# Altium PCB RFFE_Controller.PcbDoc (part 2 of 2)
Units mm, origin at the board's own origin, x right, y up, seen from the top; angles counter-clockwise.
Board outline 87 x 105 mm, 4 copper layers (Top Layer, MidLayer1, MidLayer2, Bottom Layer), stack 1.192 mm thick; 81 components, 80 nets, 362 pads, 1668 vias.
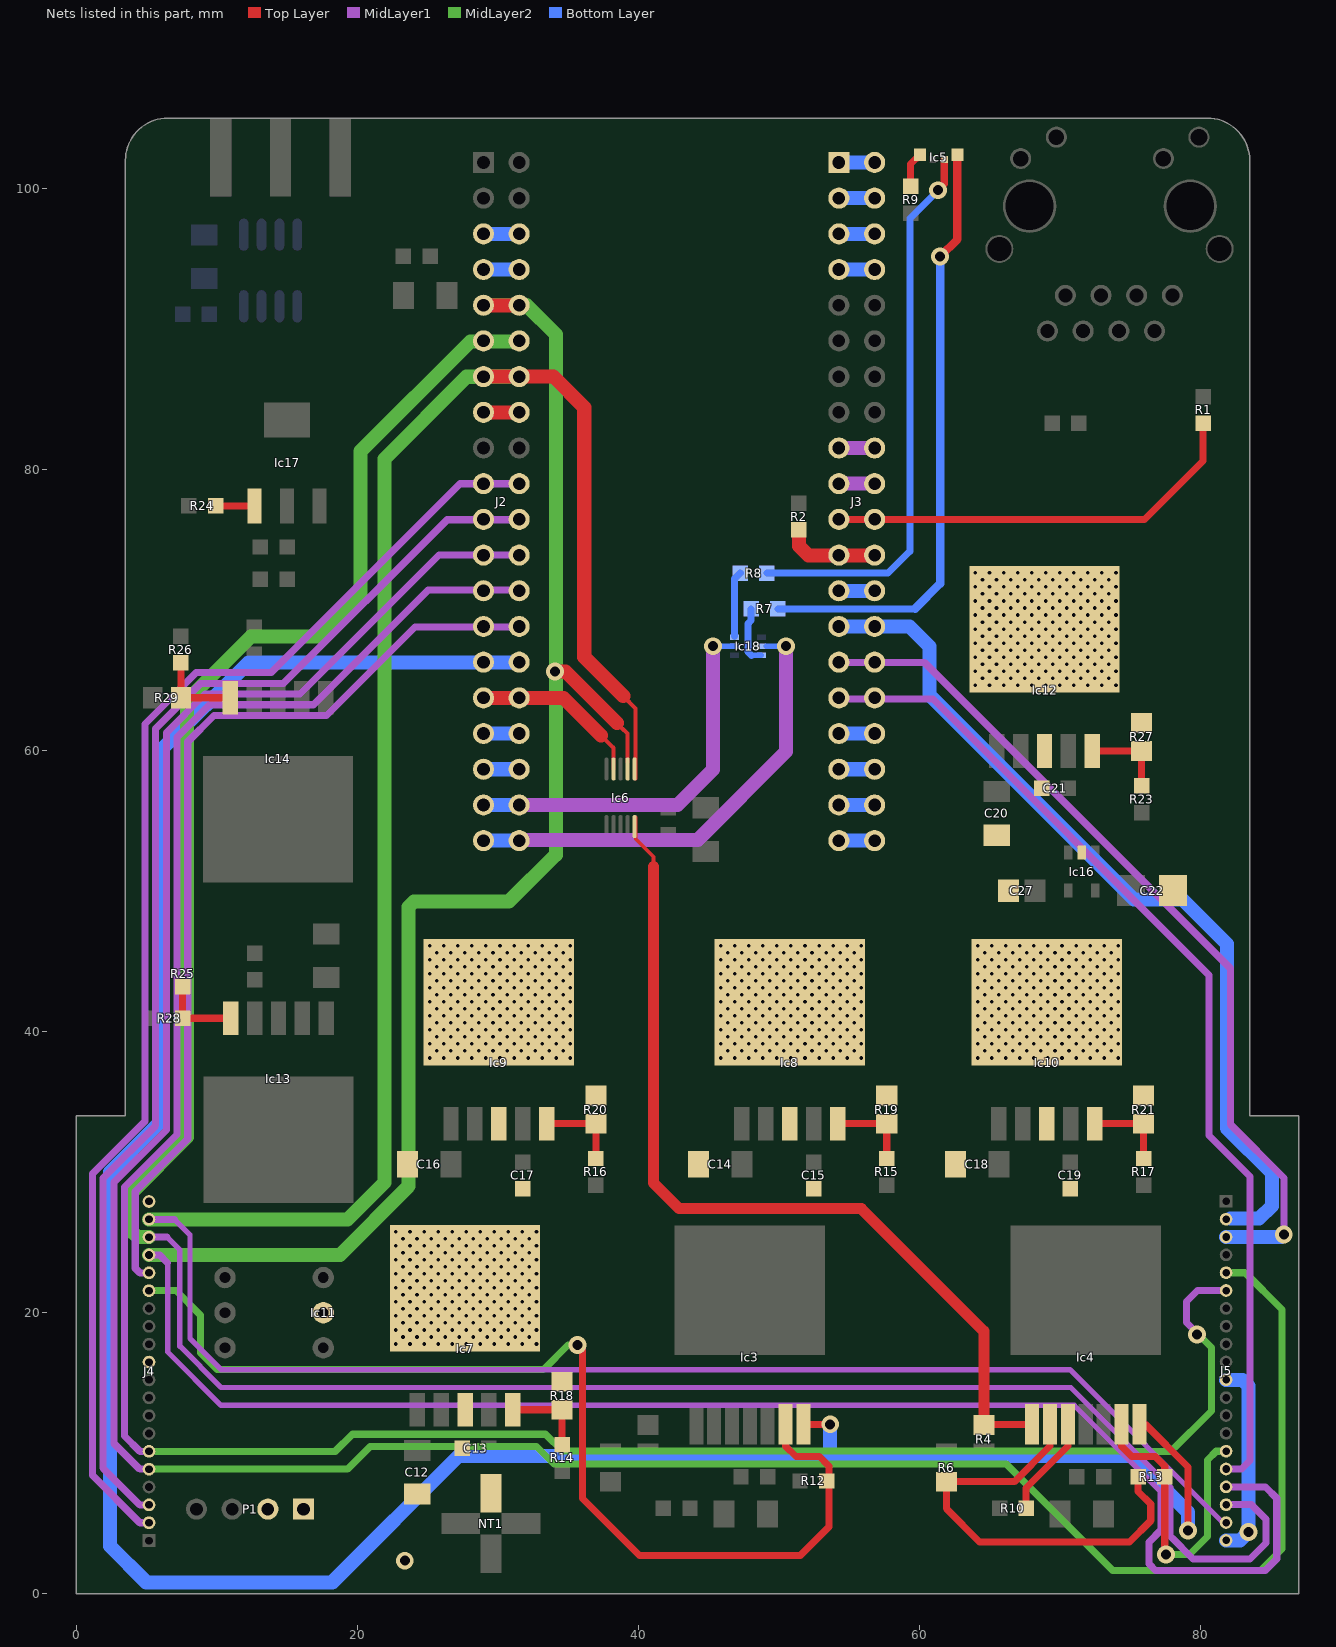
[diagram p4: the nets of this part, all layers, seen from the top]

## Via types
v1: diameter 0.35, hole 0.254, Top Layer to Bottom Layer, 1611 vias
v2: diameter 1.27, hole 0.711, Top Layer to Bottom Layer, 50 vias
v3: diameter 4, hole 2.2, Top Layer to Bottom Layer, 4 vias
v4: diameter 0.635, hole 0.254, Top Layer to Bottom Layer, 3 vias

## Nets (pads, with @x,y where several pads share a name; then routed paths per layer and width w, separated by ;. In a path a pad name is that pad's centre, name@x,y a point inside that pad or via, vN(x,y) a via of type N, cw(c..) or ccw(c..) an arc to the next point about the centre after c; other vN are vias at no path point) (continued)
NetIc3_6: Ic3.6 J4.15 R12.1 | length 75.8
  Top Layer w0.508: v2@35.7,17.675 36.025,17.35 36.025,6.775 40.075,2.725 51.525,2.725 53.553,4.753 53.553,9.094 52.883,9.765 51.206,9.765 50.472,10.499 Ic3.6@50.472,12.057
  MidLayer2 w0.508: J4.15@5.18,21.566 5.189,21.575 7.1,21.575 8.85,19.825 8.85,17.125 10.013,15.962 33.262,15.962 35,17.7 v2(35.675,17.7)
NetIc3_7: Ic3.7 Ic4.7 J2.15 J2.35 | length 184
  Top Layer w0.508: Ic3.7@51.742,12.057 v2(53.648,12.057) ; Ic4.7@75.645,12.057 76.068,12.057 79.1,9.025 v2(79.1,4.5)
  Bottom Layer w1: J2.35@31.52,66.275 12.275,66.275 6,60 6,33.6 2.4,30 2.4,3.4 4.982,0.818 18.217,0.818 27.2,9.8 75.1,9.8 79.1,5.8 v2(79.1,4.5) ; 53.648,9.848 v2(53.648,12.057)
NetIc4_1: Ic4.1 Ic6.5 R4.1 | length 64.5
  Top Layer w0.254: Ic6.5@39.8,55.263 39.8,53.725 41.075,52.45 41.075,51.75
  Top Layer w0.508: R4.1@64.588,12.057 Ic4.1@68.025,12.057
  Top Layer w0.8: 41.075,51.75 41.075,29.232 42.901,27.407 55.855,27.407 64.588,18.673 R4.1@64.588,12.057
NetIc4_2: Ic4.2 R6.1 R13.2 | length 31.5
  Top Layer w0.508: Ic4.2@69.295,12.057 69.295,10.509 66.763,7.977 R6.1@61.921,7.977 61.921,6.056 64.283,3.694 74.947,3.694 76.455,5.202 76.455,6.387 75.556,7.286 R13.2@75.556,8.342
NetIc4_3: Ic4.3 R10.1 | length 7.2
  Top Layer w0.508: R10.1@67.575,6.075 67.575,7.52 68.083,8.027 70.565,10.509 Ic4.3@70.565,12.057
NetIc4_6: Ic4.6 J5.15 R13.1 | length 22.6
  Top Layer w0.508: Ic4.6@74.375,12.057 74.375,10.499 75.109,9.765 76.785,9.765 77.456,9.094 R13.1@77.456,8.342 77.456,2.981 77.275,2.8 v2(77.554,2.8)
  MidLayer2 w0.508: v2@77.275,2.8 v2(77.554,2.8) 79.225,2.8 80.5,4.075 80.5,9.525 81.121,10.146 J5.15@81.82,10.146
NetIc5_1: Ic5.1 R9.1 | length 2.5
  Top Layer w0.5: R9.1@59.375,100.15 59.375,101.725 Ic5.1@60.05,102.4
NetIc5_3: Ic5.3 R8.1 | length 39.7
  Top Layer w0.508: v2(61.325,99.875) 61.767,100.317 Ic5.3@61.767,102.05
  Bottom Layer w0.508: R8.1@49.15,72.628 57.753,72.628 59.3,74.175 ; 59.325,74.175 59.325,97.85 61.325,99.85 v2(61.325,99.875)
NetIc5_4: Ic5.4 R7.1 | length 43.3
  Top Layer w0.6: v2(61.475,95.15) 62.7,96.375 Ic5.4@62.7,102.4
  Bottom Layer w0.5: R7.1@49.925,70.084 59.7,70.084
  Bottom Layer w0.6: 59.688,70.088 61.475,71.875 v2(61.475,95.15)
NetIc6_6: Ic6.6 J2.7 J2.27 J4.19 J5.19 | length 207.2
  Top Layer w0.3: 38.925,63.875 39.8,63 Ic6.6@39.8,58.013
  Top Layer w1: J2.7@28.98,86.606 33.969,86.606 36.15,84.425 36.15,66.65 38.925,63.875
  MidLayer1 w0.381: 6.994,26.646 8.1,25.54 8.1,18.164 10.312,15.951 70.699,15.951 J5.19@81.584,5.066
  MidLayer1 w0.5: J4.19@5.18,26.646 6.994,26.646 ; J5.19@81.584,5.066 J5.19@81.82,5.066
  MidLayer2 w1: J4.19@5.18,26.646 19.296,26.646 21.925,29.275 21.925,80.75 27.775,86.6 J2.27@31.52,86.6
NetIc6_7: Ic6.7 J2.5 J2.25 J4.17 J5.17 | length 213
  Top Layer w0.3: 38.45,61.95 39.232,61.218 Ic6.7@39.232,59.225
  Top Layer w1: J2.5@28.98,91.675 J2.25@31.52,91.675 ; v2(34.075,65.625) 34.825,65.625 38.475,61.975
  MidLayer1 w0.381: 6.502,23.546 6.502,17.221 10.312,13.411 71.014,13.411 77.175,7.25
  MidLayer1 w0.5: J4.17@5.18,24.106 5.942,24.106 6.502,23.546 ; 77.175,7.25 77.175,4.517 76.35,3.692 76.35,2.114 76.803,1.661 84.611,1.661 85.425,2.475 85.425,6.8 84.619,7.606 J5.17@81.82,7.606
  MidLayer2 w0.381: 34.1,52.575 34.125,52.575
  MidLayer2 w1: J4.17@5.18,24.106 18.756,24.106 23.65,29 23.65,48.875 24.025,49.25 30.775,49.25 34.1,52.575 ; J2.5@28.98,91.69 32.035,91.69 34.125,89.6 34.125,52.575
NetIc6_9: Ic6.9 J2.16 J2.36 | length 12.2
  Top Layer w0.3: 37.343,61.082 38.232,60.193 Ic6.9@38.232,58.688
  Top Layer w1: J2.16@28.98,63.75 J2.36@31.52,63.75 34.675,63.75 35.564,62.861 37.343,61.082
NetIc7_5: Ic7.5 R14.2 R18.1 | length 6
  Top Layer w0.508: Ic7.5@31.07,13.096 R18.1@34.569,13.096 R14.2@34.569,10.617
NetIc8_5: Ic8.5 R15.2 R19.1 | length 6
  Top Layer w0.508: Ic8.5@54.176,33.451 R19.1@57.675,33.451 R15.2@57.675,30.972
NetIc9_5: Ic9.5 R16.2 R20.1 | length 6
  Top Layer w0.508: Ic9.5@33.475,33.451 R20.1@36.974,33.451 R16.2@36.974,30.972
NetIc10_5: Ic10.5 R17.2 R21.1 | length 6.1
  Top Layer w0.508: Ic10.5@72.464,33.451 R21.1@75.947,33.451 75.947,31.21 R17.2@75.709,30.972
NetIc12_5: Ic12.5 R23.2 R27.1 | length 6
  Top Layer w0.508: Ic12.5@72.305,59.97 R27.1@75.804,59.97 R23.2@75.804,57.491
NetIc13_5: Ic13.5 R25.2 R28.2 | length 5.6
  Top Layer w0.508: R25.2@7.566,43.182 R28.2@7.566,40.957 Ic13.5@10.988,40.957
NetIc14_5: Ic14.5 R26.2 R29.1 | length 6
  Top Layer w0.508: R26.2@7.452,66.236 R29.1@7.452,63.757 Ic14.5@10.951,63.757
NetIc17_1: Ic17.1 R24.1 | length 2.8
  Top Layer w0.508: R24.1@9.92,77.413 Ic17.1@12.7,77.413
NetIc18_2: Ic18.2 J2.19 J2.39 | length 27.8
  Top Layer w0.3: v2(45.3,67.425) v2@45.304,67.429
  MidLayer1 w1: J2.39@31.52,56.13 42.78,56.13 45.3,58.65 v2(45.3,67.425)
  Bottom Layer w0.3: J2.39@31.52,56.13 J2.39@31.565,56.175
  Bottom Layer w0.4: v2(45.3,67.425) Ic18.2@46.85,67.425
  Bottom Layer w1: J2.19@28.98,56.13 J2.39@31.52,56.13
NetIc18_3: Ic18.3 R8.2 | length 4.7
  Bottom Layer w0.5: Ic18.3@46.85,68.131 46.85,72.225 R8.2@47.25,72.625
NetIc18_5: Ic18.5 J2.20 J2.40 | length 33
  MidLayer1 w1: J2.40@31.52,53.65 44.225,53.65 50.5,59.925 v2(50.5,67.425)
  Bottom Layer w0.4: 49.1,67.425 v2(50.5,67.425)
  Bottom Layer w1: J2.20@28.98,53.59 J2.40@31.52,53.59
NetIc18_6: Ic18.6 R7.2 | length 4.2
  Bottom Layer w0.4: 48.05,66.775 Ic18.6@48.75,66.775
  Bottom Layer w0.5: R7.2@48.025,70.075 48.025,69.25 47.8,69.025 47.8,67.025 48.05,66.775
NetJ2_3: J2.3 J2.23 | length 2.5
  Bottom Layer w1: J2.3@28.98,96.77 J2.23@31.52,96.77
NetJ2_4: J2.4 J2.24 | length 2.5
  Bottom Layer w1: J2.4@28.98,94.23 J2.24@31.52,94.23
NetJ2_6: J2.6 J2.26 J4.18 J5.18 | length 181.5
  MidLayer1 w0.381: 6.468,25.376 7.375,24.469 7.375,17.619 10.312,14.681 70.769,14.681 77.875,7.575 77.875,4.075
  MidLayer1 w0.5: J4.18@5.18,25.376 6.468,25.376 ; 77.875,4.075 78.011,3.939 78.026,3.939 78.693,3.272 78.693,3.257 79.475,2.475 83.525,2.475 84.671,3.621 84.671,5.304 83.639,6.336 J5.18@81.82,6.336
  MidLayer2 w1: J4.18@5.18,25.376 4.358,25.376 3.9,25.834 3.9,28.5 7.894,32.494 7.894,63.565 12.441,68.112 17.212,68.112 20.225,71.125 20.225,81.3 28.045,89.12 J2.26@31.52,89.12
NetJ2_8: J2.8 J2.28 | length 2.5
  Top Layer w1: J2.8@28.98,84.07 J2.28@31.52,84.07
NetJ2_10: J2.10 J2.30 J4.2 | length 94.2
  MidLayer1 w0.508: J4.2@5.18,5.056 4.525,5.056 1.152,8.429 1.152,29.888 4.889,33.625 4.889,61.896 8.539,65.546 13.873,65.546 27.317,78.99 J2.30@31.52,78.99
NetJ2_11: J2.11 J2.31 J4.3 | length 90.6
  MidLayer1 w0.508: J4.3@5.18,6.326 4.525,6.326 1.914,8.937 1.914,29.572 5.651,33.309 5.651,61.581 8.855,64.784 14.759,64.784 26.4,76.425 J2.31@31.52,76.425
NetJ2_12: J2.12 J2.32 J4.5 J5.5 | length 193.4
  MidLayer1 w0.508: J4.5@5.18,8.866 4.525,8.866 2.676,10.715 2.676,29.256 6.413,32.994 6.413,61.265 9.17,64.022 15.922,64.022 25.806,73.906 J2.32@31.52,73.906
  MidLayer2 w0.508: J4.5@5.18,8.866 19.313,8.866 20.922,10.475 32.75,10.475 34,9.225 66.175,9.225 73.75,1.65 84.275,1.65 85.8,3.175 85.8,20.225 83.179,22.846 J5.5@81.82,22.846
NetJ2_13: J2.13 J2.33 J4.6 J5.6 | length 171.8
  MidLayer1 w0.508: J4.6@5.18,10.136 4.525,10.136 3.438,11.223 3.438,28.941 7.175,32.678 7.175,60.949 9.486,63.26 16.885,63.26 25.05,71.425 J2.33@31.52,71.425 ; v2(79.75,18.45) 79.75,18.55 79,19.3 79,20.8 79.776,21.576 J5.6@81.82,21.576
  MidLayer2 w0.508: J4.6@5.18,10.136 18.436,10.136 19.65,11.35 33.4,11.35 34.598,10.152 74.463,10.152 74.48,10.136 77.911,10.136 80.784,13.009 80.784,17.516 79.75,18.55 v2(79.75,18.45)
NetJ2_14: J2.14 J2.34 J4.16 | length 67.1
  MidLayer1 w0.508: J4.16@5.18,22.836 4.525,22.836 4.2,23.161 4.2,28.625 7.937,32.362 7.937,60.634 9.802,62.498 17.798,62.498 24.101,68.801 J2.34@31.52,68.801
NetJ2_17: J2.17 J2.37 | length 2.5
  Bottom Layer w1: J2.17@28.98,61.21 J2.37@31.52,61.21
NetJ2_18: J2.18 J2.38 | length 2.5
  Bottom Layer w1: J2.18@28.98,58.67 J2.38@31.52,58.67
NetJ3_1: J3.1 J3.21 | length 2.5
  Bottom Layer w1: J3.1@54.27,101.85 J3.21@56.81,101.85
NetJ3_2: J3.2 J3.22 | length 2.5
  Bottom Layer w1: J3.2@54.27,99.31 J3.22@56.81,99.31
NetJ3_3: J3.3 J3.23 | length 2.5
  Bottom Layer w1: J3.3@54.27,96.77 J3.23@56.81,96.77
NetJ3_4: J3.4 J3.24 | length 2.5
  Bottom Layer w1: J3.4@54.27,94.23 J3.24@56.81,94.23
NetJ3_9: J3.9 J3.29 | length 2.5
  MidLayer1 w1: J3.9@54.27,81.53 J3.29@56.81,81.53
NetJ3_10: J3.10 J3.30 | length 2.5
  MidLayer1 w1: J3.10@54.27,78.99 J3.30@56.81,78.99
NetJ3_11: J3.11 J3.31 R1.1 | length 30.3
  Top Layer w0.508: J3.11@54.27,76.45 76.018,76.45 80.183,80.614 R1.1@80.183,83.291
NetJ3_12: J3.12 J3.32 R2.1 | length 6.8
  Top Layer w1: R2.1@51.425,75.7 51.425,74.55 52.1,73.875 J3.32@56.81,73.875
NetJ3_13: J3.13 J3.33 | length 2.5
  Bottom Layer w1: J3.13@54.27,71.37 J3.33@56.81,71.37
NetJ3_14: J3.14 J3.34 J5.2 | length 62.3
  Bottom Layer w1: J3.14@54.27,68.825 59.3,68.825 60.725,67.4 60.725,63.95 75.275,49.4 78.725,49.4 81.884,46.241 81.884,33.127 85.075,29.936 85.075,27.6 84.166,26.691 J5.2@82.125,26.691
NetJ3_15: J3.15 J3.35 J5.3 | length 61.6
  MidLayer1 w0.5: J3.15@54.27,66.25 60.375,66.25 82.15,44.475 82.15,33.375 85.95,29.575 v2@85.95,25.55
  Bottom Layer w0.381: v2@85.736,25.386 v2(85.925,25.575)
  Bottom Layer w1: J5.3@81.82,25.386 v2@85.736,25.386
NetJ3_16: J3.16 J3.36 J5.16 | length 72.2
  MidLayer1 w0.5: J3.16@54.27,63.675 60.954,63.675 80.614,44.014 80.614,32.601 83.525,29.69 83.525,9.475 82.926,8.876 J5.16@81.82,8.876
NetJ3_17: J3.17 J3.37 | length 2.5
  Bottom Layer w1: J3.17@54.27,61.21 J3.37@56.81,61.21
NetJ3_18: J3.18 J3.38 | length 2.5
  Bottom Layer w1: J3.18@54.27,58.67 J3.38@56.81,58.67
NetJ3_19: J3.19 J3.39 | length 2.5
  Bottom Layer w1: J3.19@54.27,56.13 J3.39@56.81,56.13
NetJ3_20: J3.20 J3.40 | length 2.5
  Bottom Layer w1: J3.20@54.27,53.59 J3.40@56.81,53.59
RFGND: C12.2 C13.2 C14.2 C15.2 C16.2 C17.2 C18.2 C19.2 C20.2 C21.2 C22.2 C27.2 Ic7.3 Ic7.6 Ic8.3 Ic8.6 Ic9.3 Ic9.6 Ic10.3 Ic10.6 Ic11.2 Ic12.3 Ic12.6 Ic16.2 J4.11 J4.20 J5.11 J5.20 NT1.4 P1.1 P1.2 R18.2 R19.2 R20.2 R21.2 R27.2 | length 14
  Bottom Layer w1: J5.20@81.82,3.796 82.821,3.796 v2(83.425,4.4) 83.425,14.775 82.974,15.226 J5.11@81.82,15.226
  other v1: 22.75,17.771 23.75,17.771 24.75,17.771 25.75,17.771 26.75,17.771 27.75,17.771 28.75,17.771 29.75,17.771 30.75,17.771 31.75,17.771 32.75,17.771 23.25,18.271 24.25,18.271 25.25,18.271 26.25,18.271 27.25,18.271 28.25,18.271 29.25,18.271 30.25,18.271 31.25,18.271 32.25,18.271 22.75,18.771 23.75,18.771 24.75,18.771 25.75,18.771 26.75,18.771 27.75,18.771 28.75,18.771 29.75,18.771 30.75,18.771 31.75,18.771 32.75,18.771 23.25,19.271 24.25,19.271 25.25,19.271 26.25,19.271 27.25,19.271 28.25,19.271 29.25,19.271 30.25,19.271 31.25,19.271 32.25,19.271 22.75,19.771 23.75,19.771 24.75,19.771 25.75,19.771 26.75,19.771 27.75,19.771 28.75,19.771 29.75,19.771 30.75,19.771 31.75,19.771 32.75,19.771 23.25,20.271 24.25,20.271 25.25,20.271 26.25,20.271 27.25,20.271 28.25,20.271 29.25,20.271 30.25,20.271 31.25,20.271 32.25,20.271 22.75,20.771 23.75,20.771 24.75,20.771 25.75,20.771 26.75,20.771 27.75,20.771 28.75,20.771 29.75,20.771 30.75,20.771 31.75,20.771 32.75,20.771 23.25,21.271 24.25,21.271 25.25,21.271 26.25,21.271 27.25,21.271 28.25,21.271 29.25,21.271 30.25,21.271 31.25,21.271 32.25,21.271 22.75,21.771 23.75,21.771 24.75,21.771 25.75,21.771 26.75,21.771 27.75,21.771 28.75,21.771 29.75,21.771 30.75,21.771 31.75,21.771 32.75,21.771 23.25,22.271 24.25,22.271 25.25,22.271 26.25,22.271 27.25,22.271 28.25,22.271 29.25,22.271 30.25,22.271 31.25,22.271 32.25,22.271 22.75,22.771 23.75,22.771 24.75,22.771 25.75,22.771 26.75,22.771 27.75,22.771 28.75,22.771 29.75,22.771 30.75,22.771 31.75,22.771 32.75,22.771 23.25,23.271 24.25,23.271 25.25,23.271 26.25,23.271 27.25,23.271 28.25,23.271 29.25,23.271 30.25,23.271 31.25,23.271 32.25,23.271 22.75,23.771 23.75,23.771 24.75,23.771 25.75,23.771 26.75,23.771 27.75,23.771 28.75,23.771 29.75,23.771 30.75,23.771 31.75,23.771 32.75,23.771 23.25,24.271 24.25,24.271 25.25,24.271 26.25,24.271 27.25,24.271 28.25,24.271 29.25,24.271 30.25,24.271 31.25,24.271 32.25,24.271 22.75,24.771 23.75,24.771 24.75,24.771 25.75,24.771 26.75,24.771 27.75,24.771 28.75,24.771 29.75,24.771 30.75,24.771 31.75,24.771 32.75,24.771 23.25,25.271 24.25,25.271 25.25,25.271 26.25,25.271 27.25,25.271 28.25,25.271 29.25,25.271 30.25,25.271 31.25,25.271 32.25,25.271 22.75,25.771 23.75,25.771 24.75,25.771 25.75,25.771 26.75,25.771 27.75,25.771 28.75,25.771 29.75,25.771 30.75,25.771 31.75,25.771 32.75,25.771 25.155,38.126 26.155,38.126 27.155,38.126 28.155,38.126 29.155,38.126 30.155,38.126 31.155,38.126 32.155,38.126 33.155,38.126 34.155,38.126 35.155,38.126 45.856,38.126 46.856,38.126 47.856,38.126 48.856,38.126 49.856,38.126 50.856,38.126 51.856,38.126 52.856,38.126 53.856,38.126 54.856,38.126 55.856,38.126 64.144,38.126 65.144,38.126 66.144,38.126 67.144,38.126 68.144,38.126 69.144,38.126 70.144,38.126 71.144,38.126 72.144,38.126 73.144,38.126 74.144,38.126 25.655,38.626 26.655,38.626 27.655,38.626 28.655,38.626 29.655,38.626 30.655,38.626 31.655,38.626 32.655,38.626 33.655,38.626 34.655,38.626 46.356,38.626 47.356,38.626 48.356,38.626 49.356,38.626 50.356,38.626 51.356,38.626 52.356,38.626 53.356,38.626 54.356,38.626 55.356,38.626 64.644,38.626 65.644,38.626 66.644,38.626 67.644,38.626 68.644,38.626 69.644,38.626 70.644,38.626 71.644,38.626 72.644,38.626 73.644,38.626 25.155,39.126 26.155,39.126 27.155,39.126 28.155,39.126 29.155,39.126 30.155,39.126 31.155,39.126 32.155,39.126 33.155,39.126 34.155,39.126 35.155,39.126 45.856,39.126 46.856,39.126 47.856,39.126 48.856,39.126 49.856,39.126 50.856,39.126 51.856,39.126 52.856,39.126 53.856,39.126 54.856,39.126 55.856,39.126 64.144,39.126 65.144,39.126 66.144,39.126 67.144,39.126 68.144,39.126 69.144,39.126 70.144,39.126 71.144,39.126 72.144,39.126 73.144,39.126 74.144,39.126 25.655,39.626 26.655,39.626 27.655,39.626 28.655,39.626 29.655,39.626 30.655,39.626 31.655,39.626 32.655,39.626 33.655,39.626 34.655,39.626 46.356,39.626 47.356,39.626 48.356,39.626 49.356,39.626 50.356,39.626 51.356,39.626 52.356,39.626 53.356,39.626 54.356,39.626 55.356,39.626 64.644,39.626 65.644,39.626 66.644,39.626 67.644,39.626 68.644,39.626 69.644,39.626 70.644,39.626 71.644,39.626 72.644,39.626 73.644,39.626 25.155,40.126 26.155,40.126 27.155,40.126 28.155,40.126 29.155,40.126 30.155,40.126 31.155,40.126 32.155,40.126 33.155,40.126 34.155,40.126 35.155,40.126 45.856,40.126 46.856,40.126 47.856,40.126 48.856,40.126 49.856,40.126 50.856,40.126 51.856,40.126 52.856,40.126 53.856,40.126 54.856,40.126 55.856,40.126 64.144,40.126 65.144,40.126 66.144,40.126 67.144,40.126 68.144,40.126 69.144,40.126 70.144,40.126 71.144,40.126 72.144,40.126 73.144,40.126 74.144,40.126 25.655,40.626 26.655,40.626 27.655,40.626 28.655,40.626 29.655,40.626 30.655,40.626 31.655,40.626 32.655,40.626 33.655,40.626 34.655,40.626 46.356,40.626 47.356,40.626 48.356,40.626 49.356,40.626 50.356,40.626 51.356,40.626 52.356,40.626 53.356,40.626 54.356,40.626 55.356,40.626 64.644,40.626 65.644,40.626 66.644,40.626 67.644,40.626 68.644,40.626 69.644,40.626 70.644,40.626 71.644,40.626 72.644,40.626 73.644,40.626 25.155,41.126 26.155,41.126 27.155,41.126 28.155,41.126 29.155,41.126 30.155,41.126 31.155,41.126 32.155,41.126 33.155,41.126 34.155,41.126 35.155,41.126 45.856,41.126 46.856,41.126 47.856,41.126 48.856,41.126 49.856,41.126 50.856,41.126 51.856,41.126 52.856,41.126 53.856,41.126 54.856,41.126 55.856,41.126 64.144,41.126 65.144,41.126 66.144,41.126 67.144,41.126 68.144,41.126 69.144,41.126 70.144,41.126 71.144,41.126 72.144,41.126 73.144,41.126 74.144,41.126 25.655,41.626 26.655,41.626 27.655,41.626 28.655,41.626 29.655,41.626 30.655,41.626 31.655,41.626 32.655,41.626 33.655,41.626 34.655,41.626 46.356,41.626 47.356,41.626 48.356,41.626 49.356,41.626 50.356,41.626 51.356,41.626 52.356,41.626 53.356,41.626 54.356,41.626 55.356,41.626 64.644,41.626 65.644,41.626 66.644,41.626 67.644,41.626 68.644,41.626 69.644,41.626 70.644,41.626 71.644,41.626 72.644,41.626 73.644,41.626 25.155,42.126 26.155,42.126 27.155,42.126 28.155,42.126 29.155,42.126 30.155,42.126 31.155,42.126 32.155,42.126 33.155,42.126 34.155,42.126 35.155,42.126 45.856,42.126 46.856,42.126 47.856,42.126 48.856,42.126 49.856,42.126 50.856,42.126 51.856,42.126 52.856,42.126 53.856,42.126 54.856,42.126 55.856,42.126 64.144,42.126 65.144,42.126 66.144,42.126 67.144,42.126 68.144,42.126 69.144,42.126 70.144,42.126 71.144,42.126 72.144,42.126 73.144,42.126 74.144,42.126 25.655,42.626 26.655,42.626 27.655,42.626 28.655,42.626 29.655,42.626 30.655,42.626 31.655,42.626 32.655,42.626 33.655,42.626 34.655,42.626 46.356,42.626 47.356,42.626 48.356,42.626 49.356,42.626 50.356,42.626 51.356,42.626 52.356,42.626 53.356,42.626 54.356,42.626 55.356,42.626 64.644,42.626 65.644,42.626 66.644,42.626 67.644,42.626 68.644,42.626 69.644,42.626 70.644,42.626 71.644,42.626 72.644,42.626 73.644,42.626 25.155,43.126 26.155,43.126 27.155,43.126 28.155,43.126 29.155,43.126 30.155,43.126 31.155,43.126 32.155,43.126 33.155,43.126 34.155,43.126 35.155,43.126 45.856,43.126 46.856,43.126 47.856,43.126 48.856,43.126 49.856,43.126 50.856,43.126 51.856,43.126 52.856,43.126 53.856,43.126 54.856,43.126 55.856,43.126 64.144,43.126 65.144,43.126 66.144,43.126 67.144,43.126 68.144,43.126 69.144,43.126 70.144,43.126 71.144,43.126 72.144,43.126 73.144,43.126 74.144,43.126 25.655,43.626 26.655,43.626 27.655,43.626 28.655,43.626 29.655,43.626 30.655,43.626 31.655,43.626 32.655,43.626 33.655,43.626 34.655,43.626 46.356,43.626 47.356,43.626 48.356,43.626 49.356,43.626 50.356,43.626 51.356,43.626 52.356,43.626 53.356,43.626 54.356,43.626 55.356,43.626 64.644,43.626 65.644,43.626 66.644,43.626 67.644,43.626 68.644,43.626 69.644,43.626 70.644,43.626 71.644,43.626 72.644,43.626 73.644,43.626 25.155,44.126 26.155,44.126 27.155,44.126 28.155,44.126 29.155,44.126 30.155,44.126 31.155,44.126 32.155,44.126 33.155,44.126 34.155,44.126 35.155,44.126 45.856,44.126 46.856,44.126 47.856,44.126 48.856,44.126 49.856,44.126 50.856,44.126 51.856,44.126 52.856,44.126 53.856,44.126 54.856,44.126 55.856,44.126 64.144,44.126 65.144,44.126 66.144,44.126 67.144,44.126 68.144,44.126 69.144,44.126 70.144,44.126 71.144,44.126 72.144,44.126 73.144,44.126 74.144,44.126 25.655,44.626 26.655,44.626 27.655,44.626 28.655,44.626 29.655,44.626 30.655,44.626 31.655,44.626 32.655,44.626 33.655,44.626 34.655,44.626 46.356,44.626 47.356,44.626 48.356,44.626 49.356,44.626 50.356,44.626 51.356,44.626 52.356,44.626 53.356,44.626 54.356,44.626 55.356,44.626 64.644,44.626 65.644,44.626 66.644,44.626 67.644,44.626 68.644,44.626 69.644,44.626 70.644,44.626 71.644,44.626 72.644,44.626 73.644,44.626 25.155,45.126 26.155,45.126 27.155,45.126 28.155,45.126 29.155,45.126 30.155,45.126 31.155,45.126 32.155,45.126 33.155,45.126 34.155,45.126 35.155,45.126 45.856,45.126 46.856,45.126 47.856,45.126 48.856,45.126 49.856,45.126 50.856,45.126 51.856,45.126 52.856,45.126 53.856,45.126 54.856,45.126 55.856,45.126 64.144,45.126 65.144,45.126 66.144,45.126 67.144,45.126 68.144,45.126 69.144,45.126 70.144,45.126 71.144,45.126 72.144,45.126 73.144,45.126 74.144,45.126 25.655,45.626 26.655,45.626 27.655,45.626 28.655,45.626 29.655,45.626 30.655,45.626 31.655,45.626 32.655,45.626 33.655,45.626 34.655,45.626 46.356,45.626 47.356,45.626 48.356,45.626 49.356,45.626 50.356,45.626 51.356,45.626 52.356,45.626 53.356,45.626 54.356,45.626 55.356,45.626 64.644,45.626 65.644,45.626 66.644,45.626 67.644,45.626 68.644,45.626 69.644,45.626 70.644,45.626 71.644,45.626 72.644,45.626 73.644,45.626 25.155,46.126 26.155,46.126 27.155,46.126 28.155,46.126 29.155,46.126 30.155,46.126 31.155,46.126 32.155,46.126 33.155,46.126 34.155,46.126 35.155,46.126 45.856,46.126 46.856,46.126 47.856,46.126 48.856,46.126 49.856,46.126 50.856,46.126 51.856,46.126 52.856,46.126 53.856,46.126 54.856,46.126 55.856,46.126 64.144,46.126 65.144,46.126 66.144,46.126 67.144,46.126 68.144,46.126 69.144,46.126 70.144,46.126 71.144,46.126 72.144,46.126 73.144,46.126 74.144,46.126 63.985,64.645 64.985,64.645 65.985,64.645 66.985,64.645 67.985,64.645 68.985,64.645 69.985,64.645 70.985,64.645 71.985,64.645 72.985,64.645 73.985,64.645 64.485,65.145 65.485,65.145 66.485,65.145 67.485,65.145 68.485,65.145 69.485,65.145 70.485,65.145 71.485,65.145 72.485,65.145 73.485,65.145 63.985,65.645 64.985,65.645 65.985,65.645 66.985,65.645 67.985,65.645 68.985,65.645 69.985,65.645 70.985,65.645 71.985,65.645 72.985,65.645 73.985,65.645 64.485,66.145 65.485,66.145 66.485,66.145 67.485,66.145 68.485,66.145 69.485,66.145 70.485,66.145 71.485,66.145 72.485,66.145 73.485,66.145 63.985,66.645 64.985,66.645 65.985,66.645 66.985,66.645 67.985,66.645 68.985,66.645 69.985,66.645 70.985,66.645 71.985,66.645 72.985,66.645 73.985,66.645 64.485,67.145 65.485,67.145 66.485,67.145 67.485,67.145 68.485,67.145 69.485,67.145 70.485,67.145 71.485,67.145 72.485,67.145 73.485,67.145 63.985,67.645 64.985,67.645 65.985,67.645 66.985,67.645 67.985,67.645 68.985,67.645 69.985,67.645 70.985,67.645 71.985,67.645 72.985,67.645 73.985,67.645 64.485,68.145 65.485,68.145 66.485,68.145 67.485,68.145 68.485,68.145 69.485,68.145 70.485,68.145 71.485,68.145 72.485,68.145 73.485,68.145 63.985,68.645 64.985,68.645 65.985,68.645 66.985,68.645 67.985,68.645 68.985,68.645 69.985,68.645 70.985,68.645 71.985,68.645 72.985,68.645 73.985,68.645 64.485,69.145 65.485,69.145 66.485,69.145 67.485,69.145 68.485,69.145 69.485,69.145 70.485,69.145 71.485,69.145 72.485,69.145 73.485,69.145 63.985,69.645 64.985,69.645 65.985,69.645 66.985,69.645 67.985,69.645 68.985,69.645 69.985,69.645 70.985,69.645 71.985,69.645 72.985,69.645 73.985,69.645 64.485,70.145 65.485,70.145 66.485,70.145 67.485,70.145 68.485,70.145 69.485,70.145 70.485,70.145 71.485,70.145 72.485,70.145 73.485,70.145 63.985,70.645 64.985,70.645 65.985,70.645 66.985,70.645 67.985,70.645 68.985,70.645 69.985,70.645 70.985,70.645 71.985,70.645 72.985,70.645 73.985,70.645 64.485,71.145 65.485,71.145 66.485,71.145 67.485,71.145 68.485,71.145 69.485,71.145 70.485,71.145 71.485,71.145 72.485,71.145 73.485,71.145 63.985,71.645 64.985,71.645 65.985,71.645 66.985,71.645 67.985,71.645 68.985,71.645 69.985,71.645 70.985,71.645 71.985,71.645 72.985,71.645 73.985,71.645 64.485,72.145 65.485,72.145 66.485,72.145 67.485,72.145 68.485,72.145 69.485,72.145 70.485,72.145 71.485,72.145 72.485,72.145 73.485,72.145 63.985,72.645 64.985,72.645 65.985,72.645 66.985,72.645 67.985,72.645 68.985,72.645 69.985,72.645 70.985,72.645 71.985,72.645 72.985,72.645 73.985,72.645
  other v2: 23.379,2.35
pads on no net: IC1.8 Ic2.7 Ic2.8 Ic2.15 Ic2.16 Ic6.1 Ic6.2
copper on no net:
  other v3: 29.5,5 57.5,5 7,72 80,72

## Polygon pours and split planes (outlines as drawn)
AGND on Bottom Layer "Keep-Out Layer-No Net" (solid, pour order 13): 42.7,36.525 42.7,17.2 77.3,17.2 77.3,36.525
DGND on Bottom Layer "Keep-Out Layer-No Net" (solid, pour order 17): 87.011,0.019 87.011,34.019 83.511,34.019 83.511,105.019 3.511,105.019 3.511,34.019 0.011,34.019 0.011,0.019
DGND on Top Layer "Keep-Out Layer-No Net" (solid, pour order 16): 86.913,-0.142 86.913,33.854 83.413,33.854 83.413,104.846 3.413,104.846 3.413,33.854 -0.087,33.854 -0.087,-0.142
AGND on Top Layer "Keep-Out Layer-No Net" (solid, pour order 19): -0.133,29.05 -0.133,-0.016 87.142,-0.016 87.142,29.041
AGND on Top Layer "Keep-Out Layer-No Net" (solid, pour order 11): 35.021,48.884 48.344,48.884 48.344,52.546 48.344,65.495 35.021,65.495
RFGND on Top Layer "Keep-Out Layer-No Net" (solid, pour order 20): 83.5,74.528 83.525,27.875 59.975,27.9 36.45,27.9 36.44,5.975 22.325,5.975 22.325,46.928 60.03,46.928 60.03,74.528
DGND on MidLayer2 "Keep-Out Layer-No Net" (solid, pour order 14): 87.005,-0.011 87.005,33.989 83.505,33.989 83.505,104.989 3.505,104.989 3.505,33.989 0.005,33.989 0.005,-0.011
AGND on MidLayer2 "Keep-Out Layer-No Net" (solid, pour order 23): 76.901,17.549 42.998,17.549 42.998,25.549 42.998,51.611 55.646,51.611 55.646,25.549 76.901,25.549
RFGND on MidLayer1 "Keep-Out Layer-No Net" (solid, remove dead copper, pour order 12): 87.008,-0.152 87.008,33.837 83.508,33.837 83.508,105.023 3.508,105.023 3.508,33.837 0.008,33.837 0.008,-0.252
AGND on MidLayer1 "Keep-Out Layer-No Net" (solid, pour order 18): 42.338,25.549 76.901,25.549 76.901,17.549 42.338,17.549

## Keep-outs
Keep-Out Layer:
  the board outline again, w0.127

## Other copper
Top Layer:
  rectangle net +3.3V: 7.544,80.319 22.456,87.532
  rectangle net NetIC1_3: 13.25,99.125 15.79,104.559
  region net 9VIN: 9.313,3.62 9.313,1.08 11.853,1.08 11.853,3.62
  region net 9VIN: 17.833,3.62 17.833,1.08 20.373,1.08 20.373,3.62
  region net DGND: 13.589,3.62 13.589,1.08 16.129,1.08 16.129,3.62
  region net RFGND: 22.109,3.62 22.109,1.08 24.649,1.08 24.649,3.62
  pour cut-out: 12.75,104.65 12.75,98.55 16.225,98.55 16.225,104.65
Bottom Layer:
  rectangle net DGND: 8.84,50.471 19.64,59.771
  rectangle net DGND: 8.876,27.671 19.676,36.971
  rectangle net RFGND: 62.985,63.645 74.985,73.645
  rectangle net RFGND: 63.144,37.126 75.144,47.126
  rectangle net RFGND: 44.856,37.126 56.856,47.126
  rectangle net RFGND: 24.155,37.126 36.155,47.126
  rectangle net RFGND: 21.75,16.771 33.75,26.771
  pour cut-out: 37.425,90.775 36.425,91.05 37.025,91.075 37.325,91.05 37.6,91 37.975,90.9 38.3,90.775 38.6,90.625 38.925,90.45 39.339,90.183 39.614,89.933 39.839,89.708 40.064,89.383 40.164,89.208 40.264,89.008 40.3,88.9 40.35,88.75 40.4,88.55 40.5,88.1 40.55,87.65 40.55,87.1 40.525,86.5 40.414,87.083 40.35,87.475 40.325,87.875 40.2,88.3 40.075,88.775 39.675,89.325 39.35,89.725 39.114,89.958 38.739,90.208 38.45,90.425 38.075,90.625
  pour cut-out: 38.35,92.25 38.65,92.35 39.175,92.375 39.7,92.3 40.025,92.175 40.413,91.925 40.688,91.675 40.913,91.45 41.138,91.125 41.238,90.95 41.338,90.75 41.388,90.55 41.438,90.3 41.438,89.3 41.325,89.05 41.25,89.8 41.225,90.3 41.175,90.6 41.1,90.85 41,91.075 40.825,91.275 40.5,91.6 40.125,91.85 39.8,92.025 39.55,92.1 39.275,92.15 38.75,92.2
  pour cut-out: 39.539,93.183 39.155,93.399 39.9,93.375 40.425,93.3 40.75,93.2 41.089,93.058 41.489,92.758 41.764,92.508 41.989,92.283 42.214,91.958 42.314,91.783 42.414,91.583 42.464,91.383 42.514,91.133 42.5,90.275 42.475,89.775 42.42,90.025 42.264,90.808 42.139,91.308 41.825,91.9 41.5,92.3 41.264,92.533 40.889,92.783 40.514,92.958 40.089,93.083
  pour cut-out: 36.5,89.9 36.575,89.975 37.575,89.975 37.825,89.875 38.05,89.775 38.45,89.475 38.725,89.225 38.95,89 39.175,88.675 39.275,88.5 39.375,88.3 39.425,88.1 39.475,87.85 39.475,86.85 39.381,86.741 39.225,87.525 39.1,88.025 38.8,88.675 38.5,89.025 38.225,89.25 37.85,89.5 37.475,89.675 37.05,89.8

## Silkscreen, mask and mechanical layers (free items; w line width, h text height)
Top Overlay:
  drawing of 18 lines, arcs and shapes, not listed
  text "Sirius" at 59.663,15.448 h2
  text "RF" at 22.1,4.225 h1.52
  text "DG" at 6,1.5 h1.52
  text "Beam Diagnostics Group" at 43.575,0.975 h2
  text "RFFE_Controller_v7" at 61.85,0.975 h2
Bottom Overlay:
  circle w0.178: c18.689,77.494 r0.447
  circle w0.178: c18.689,77.494 r0.099
  circle w0.178: c18.067,81.586 r0.191
  lines w0.178: 16.767,82.307 22.266,76.646 ; 17.102,76.689 22.393,82.396 ; 18.247,81.332 17.91,81.324 21.359,81.324 ; 18.247,81.365 18.247,81.378 18.545,78.028 ; 19.174,77.398 20.526,77.398 20.526,77.713 20.848,81.51 ; 20.162,77.141 20.162,77.268 ; 20.289,81.459 20.289,81.84 ; 16.479,76.252 16.479,82.602 22.829,82.602 22.829,76.252 16.479,76.252 ; 17.876,80.476 17.876,80.959 18.291,80.959 18.321,80.476 17.876,80.476 ; 18.303,81.594 cw(c18.936,80.862) 18.994,81.827 18.303,81.594 ; 18.931,80.093 18.931,80.329 19.809,80.329 19.809,80.093 18.931,80.093 ; 19.009,81.754 19.009,81.998 19.888,81.998 19.888,81.754 19.009,81.754 ; 19.911,81.84 cw(c19.866,80.095) 20.848,81.538 19.911,81.84
  lines w0.203: 10.226,79.206 ccw(c10.408,79.833) 10.378,79.181 ; 10.226,79.206 ccw(c10.048,78.597) 10.048,79.232 cw(c10.048,78.597) 10.226,79.206 ; 10.226,79.206 ccw(c10.408,79.833) 10.378,79.181 ; 10.327,78.139 ccw(c10.919,78.65) 10.505,77.987 ; 10.327,78.139 ccw(c10.919,78.65) 10.505,77.987 ; 10.327,78.139 ccw(c9.718,77.614) 9.718,78.419 cw(c9.718,77.614) 10.327,78.139 ; 10.378,79.181 ccw(c10.568,83.26) 10.759,79.181 ; 10.378,79.181 ccw(c10.568,83.26) 10.759,79.181 ; 10.505,77.987 11.419,77.682 ; 10.505,77.987 11.419,77.682 ; 10.759,79.181 ccw(c10.625,82.056) 11.394,79.282 ; 10.759,79.181 ccw(c10.625,82.056) 11.394,79.282 ; 11.394,79.282 cw(c11.691,78.213) 12.384,79.079 ; 11.394,79.282 cw(c11.691,78.213) 12.384,79.079 ; 11.419,77.682 cw(c11.419,77.047) 12.054,77.073 ; 11.419,77.682 cw(c11.419,77.047) 12.054,77.073 ; 12.054,77.073 ccw(c12.2,77.128) 12.283,76.996 ; 12.054,77.073 ccw(c12.2,77.128) 12.283,76.996 ; 12.105,77.733 ccw(c11.481,77.268) 11.597,78.038 cw(c11.481,77.268) 12.105,77.733 ; 12.105,77.733 cw(c7.848,74.563) 12.283,77.479 ; 12.105,77.733 cw(c7.848,74.563) 12.283,77.479 ; 12.283,76.996 12.308,77.047 ; 12.283,76.996 12.308,77.047 ; 12.283,77.479 cw(c11.92,77.241) 12.308,77.047 ; 12.283,77.479 cw(c11.92,77.241) 12.308,77.047 ; 12.384,79.079 cw(c12.134,78.766) 12.512,78.901 ; 12.384,79.079 cw(c12.134,78.766) 12.512,78.901 ; 12.512,78.089 cw(c16.46,83.873) 12.131,78.368 ccw(c16.46,83.873) 12.512,78.089 ; 12.512,78.089 ccw(c12.691,78.353) 12.639,78.038 ; 12.512,78.089 ccw(c12.691,78.353) 12.639,78.038 ; 12.512,78.901 ccw(c12.856,79.024) 12.689,78.698 ; 12.512,78.901 ccw(c12.856,79.024) 12.689,78.698 ; 12.639,78.038 12.791,78.012 ; 12.639,78.038 12.791,78.012 ; 12.664,77.098 ccw(c12.778,77.039) 12.867,76.946 ; 12.664,77.098 ccw(c12.778,77.039) 12.867,76.946 ; 12.664,77.098 12.74,77.25 ; 12.664,77.098 12.74,77.25 ; 12.689,77.606 cw(c13.073,77.661) 12.715,77.809 ; 12.689,77.606 cw(c13.073,77.661) 12.715,77.809 ; 12.689,77.606 12.74,77.25 ; 12.689,77.606 12.74,77.25 ; 12.689,78.698 12.816,78.597 ; 12.689,78.698 12.816,78.597 ; 12.715,77.809 ccw(c9.26,79.22) 12.791,78.012 ; 12.715,77.809 ccw(c9.26,79.22) 12.791,78.012 ; 12.816,78.597 12.969,78.47 ; 12.816,78.597 12.969,78.47 ; 12.867,76.946 ccw(c12.432,77.377) 13.045,77.377 ; 12.867,76.946 ccw(c12.432,77.377) 13.045,77.377 ; 12.969,78.47 cw(c12.692,78.137) 13.121,78.19 ; 12.969,78.47 cw(c12.692,78.137) 13.121,78.19 ; 13.045,77.377 13.045,77.708 ; 13.045,77.377 13.045,77.708 ; 13.045,77.708 13.07,77.911 ; 13.045,77.708 13.07,77.911 ; 13.07,77.911 13.096,78.063 ; 13.07,77.911 13.096,78.063 ; 13.096,78.063 13.121,78.165 ; 13.096,78.063 13.121,78.165 ; 13.121,78.165 13.121,78.19 ; 13.121,78.165 13.121,78.19
  lines w0.254: 8.422,76.057 11.546,82.381 ; 8.422,76.057 11.546,82.381 ; 8.422,76.057 14.721,76.057 8.422,76.057 ; 11.546,82.381 14.747,76.057 11.546,82.381 ; 8.346,76.057 13.172,79.155 8.346,76.057